# Altium PCB pcb_v1.PcbDoc (part 1 of 5) (continued)
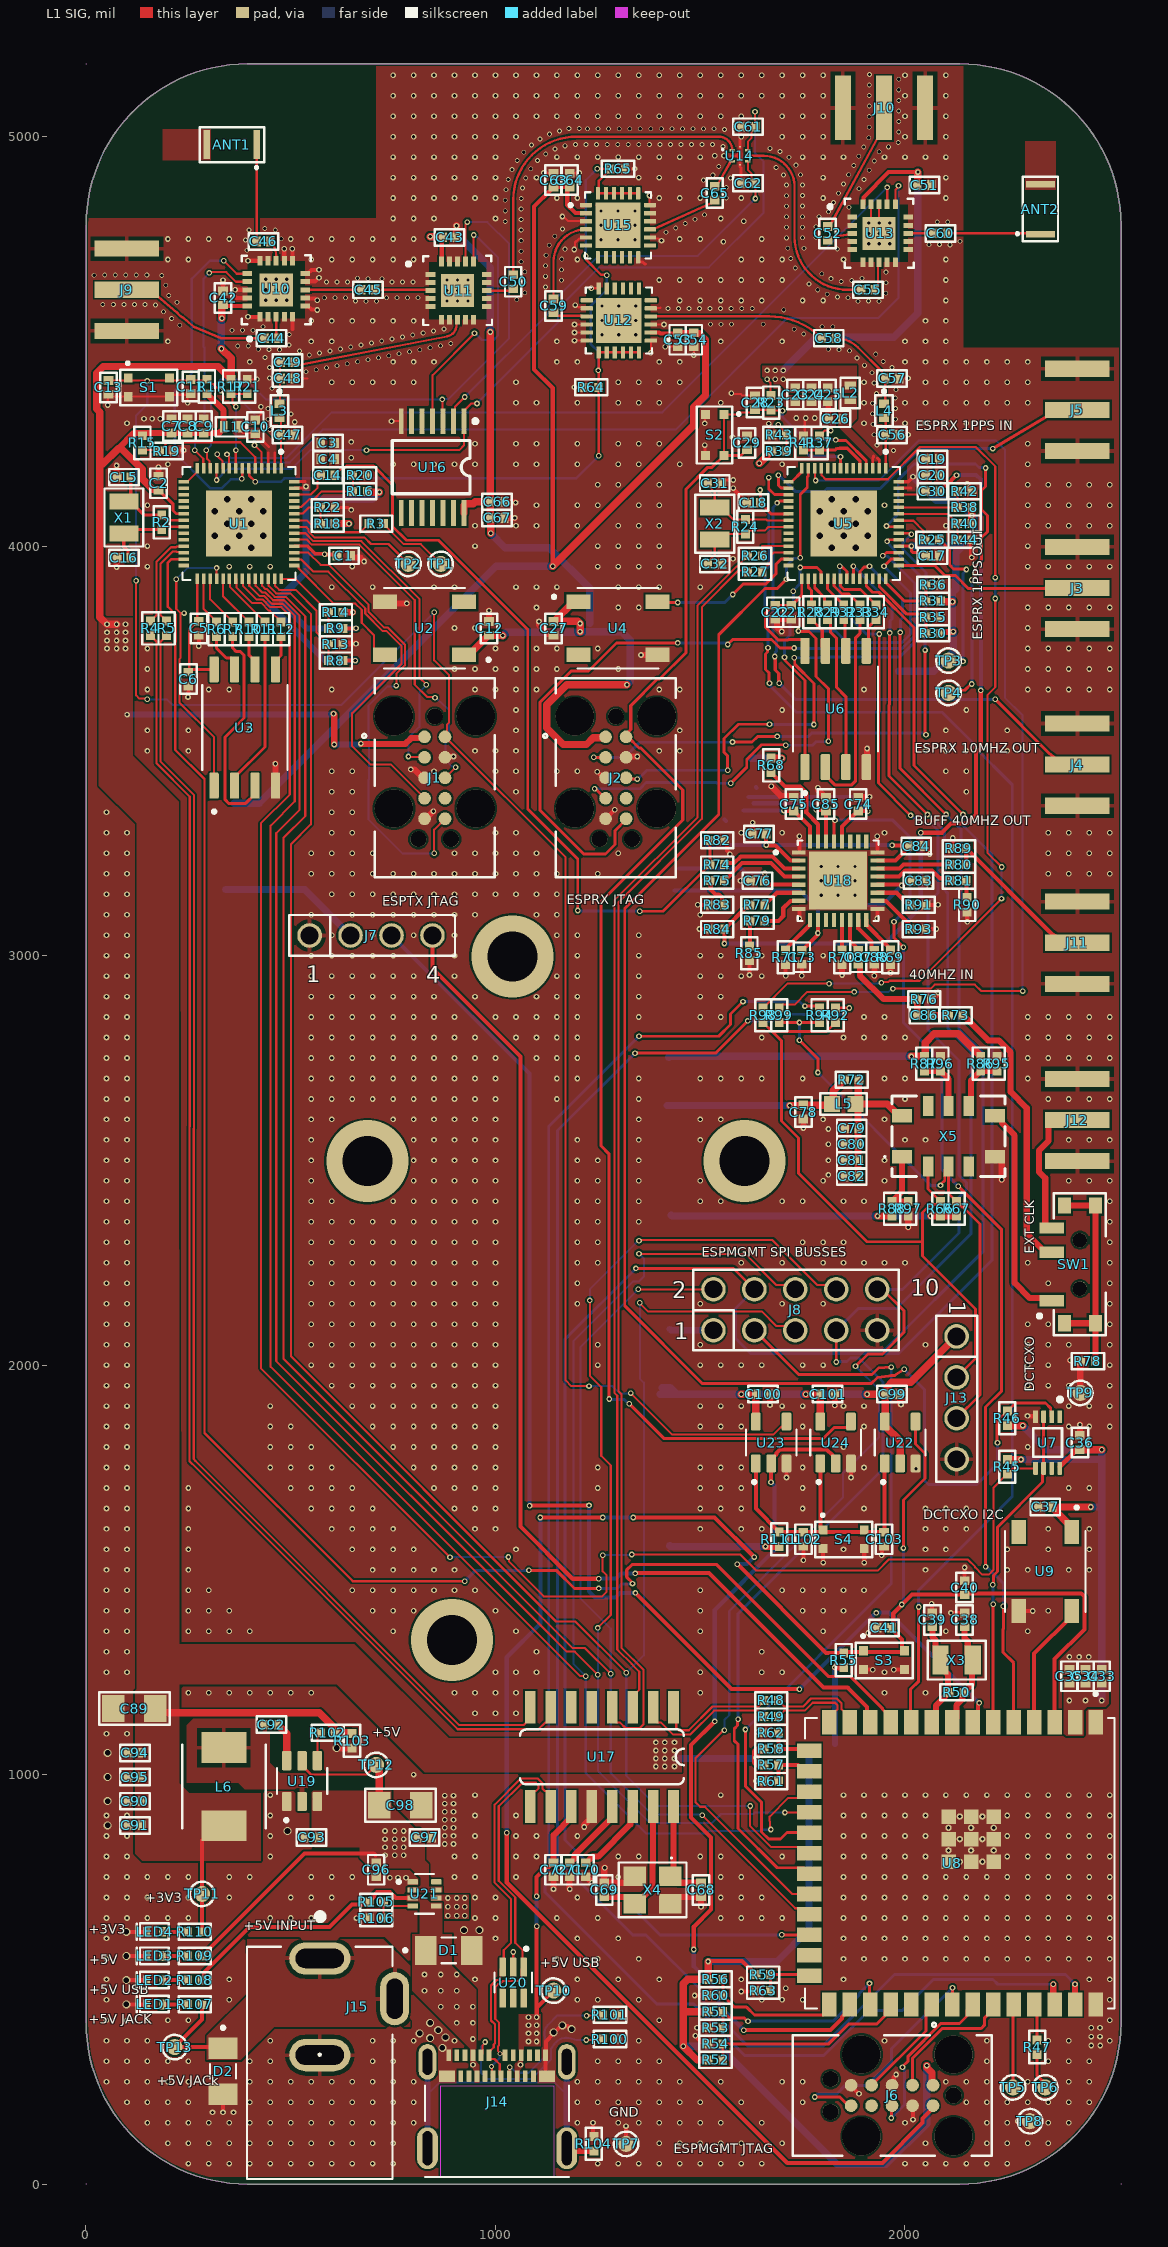
[diagram p0: L1 SIG view]
## Components (designator, comment, footprint, x,y, rotation, side; value= is the part's Value field where it differs from the comment) (continued)
C100 "0.1uF" CAP_0402 1653.54,1929.13 r180 top
C101 "0.1uF" CAP_0402 1811.02,1929.13 r180 top
C102 "1uF" CAP_0402 1751.97,1574.8 r90 top
C103 "0.1uF" CAP_0402 1948.82,1574.8 r90 top
D1 "BZT52C5V1_RHG" D_BZT52C5V1_RHG 885.83,570.87 r0 top
D2 "BZT52C5V1_RHG" D_BZT52C5V1_RHG 334.65,275.59 r270 top
J1 "CONN_TC2050-IDC" CONN_TAG-CONNECT_TC2050-IDC 851.77,3434.25 r270 top
J2 "CONN_TC2050-IDC" CONN_TAG-CONNECT_TC2050-IDC 1293.9,3434.25 r270 top
J3 "BWSMA-KE-P001" CONN_BWSMA-KE-P001 2421.26,3897.64 r0 top
J4 "BWSMA-KE-P001" CONN_BWSMA-KE-P001 2421.26,3466.54 r0 top
J5 "BWSMA-KE-P001" CONN_BWSMA-KE-P001 2421.26,4332.68 r0 top
J6 "CONN_TC2050-IDC" CONN_TAG-CONNECT_TC2050-IDC 1968.5,216.54 r180 top
J7 "PPTC041LFBN-RC" CONN_4_PIN_100MIL 696.06,3049.21 r0 top value=Female
J8 "PZ254V-12-10P" CONN_10_PIN_M_100MIL 1532.28,2085.04 r0 top
J9 "BWSMA-KE-P001" CONN_BWSMA-KE-P001 100,4625.98 r180 top
J10 "BWSMA-KE-P001" CONN_BWSMA-KE-P001 1948.82,5070 r90 top
J11 "BWSMA-KE-P001" CONN_BWSMA-KE-P001 2421.26,3031.5 r0 top
J12 "BWSMA-KE-P001" CONN_BWSMA-KE-P001 2421.26,2598.43 r0 top
J13 "PZ254V-11-04P" CONN_4_PIN_M_100MIL 2125.98,1920.08 r270 top
J14 "105450-0101" CONN_105450-0101 1003.94,166.34 r0 top
J15 "Power Jack" CONN_DC-005-20A 570.87,551.18 r270 top value="CONN PWR JACK 2X5.5MM SOLDER"
L1 "2nH 50mOhm" IND_INDC1006X60N 354.33,4291.34 r0 top
L2 "2nH 50mOhm" IND_INDC1006X60N 1866.14,4374.02 r270 top
L3 "1nH" INDUCTOR_0402 472.44,4330.71 r90 top
L4 "1nH" INDUCTOR_0402 1948.82,4330.71 r90 top
L5 "10uH 300mA" L_490-LQM18DN100M70LCT-ND 1850.39,2637.8 r0 top
L6 "3.3uH" L_IHLP2020CZER3R3M01 336.61,970.47 r270 top
LED1 "LED_SM0402GC" LED_FP-SM0402GC-MFG 167.32,438.98 r0 top
LED2 "LED_SM0402GC" LED_FP-SM0402GC-MFG 167.32,498.03 r0 top
LED3 "LED_SM0402GC" LED_FP-SM0402GC-MFG 167.32,557.09 r0 top
LED4 "LED_SM0402GC" LED_FP-SM0402GC-MFG 167.32,616.14 r0 top
R1 "10k" RES_0402 295.28,4389.76 r270 top
R2 "10M" RES_0402 185.04,4058.07 r90 top value=10MR
R3 "499" RES_0402 708.66,4055.12 r180 top value=499R
R4 "0 ohm" RES_0402 157.48,3799.21 r270 top value=0mR
R5 "0 ohm" RES_0402 196.85,3799.21 r270 top value=0mR
R6 "0 ohm" RES_0402 318.9,3797.24 r90 top value=0mR
R7 "0 ohm" RES_0402 358.27,3797.24 r90 top value=0mR
R8 "1k" RES_0402 610.24,3720.47 r0 top
R9 "1k" RES_0402 610.24,3799.21 r0 top
R10 "0 ohm" RES_0402 397.64,3797.24 r90 top value=0mR
R11 "0 ohm" RES_0402 437.01,3797.24 r90 top value=0mR
R12 "0 ohm" RES_0402 476.38,3797.24 r90 top value=0mR
R13 "1k" RES_0402 610.24,3759.84 r180 top
R14 "1k" RES_0402 610.24,3838.58 r180 top
R15 "1k" RES_0402 137.8,4251.97 r90 top
R16 "1k" RES_0402 669.29,4133.86 r0 top
R17 "1k" RES_0402 354.33,4389.76 r90 top
R18 "1k" RES_0402 590.55,4055.12 r0 top
R19 "1k" RES_0402 196.85,4232.28 r180 top
R20 "1k" RES_0402 669.29,4173.23 r180 top
R21 "1k" RES_0402 393.7,4389.76 r270 top
R22 "1k" RES_0402 590.55,4094.49 r180 top
R23 "10k" RES_0402 1673.23,4350.39 r90 top
R24 "10M" RES_0402 1610.24,4047.24 r90 top value=10MR
R25 "499" RES_0402 2066.93,4015.75 r180 top value=499R
R26 "0 ohm" RES_0402 1633.86,3976.38 r180 top value=0mR
R27 "0 ohm" RES_0402 1633.86,3937.01 r180 top value=0mR
R28 "0 ohm" RES_0402 1771.65,3838.58 r90 top value=0mR
R29 "0 ohm" RES_0402 1811.02,3838.58 r90 top value=0mR
R30 "1k" RES_0402 2068.9,3787.4 r0 top
R31 "1k" RES_0402 2068.9,3866.14 r0 top
R32 "0 ohm" RES_0402 1850.39,3838.58 r90 top value=0mR
R33 "0 ohm" RES_0402 1889.76,3838.58 r90 top value=0mR
R34 "0 ohm" RES_0402 1929.13,3838.58 r90 top value=0mR
R35 "1k" RES_0402 2068.9,3826.77 r180 top
R36 "1k" RES_0402 2068.9,3905.51 r180 top
R37 "1k" RES_0402 1791.34,4251.97 r90 top
R38 "1k" RES_0402 2145.67,4094.49 r0 top
R39 "1k" RES_0402 1692.91,4232.28 r180 top
R40 "1k" RES_0402 2145.67,4055.12 r0 top
R41 "1k" RES_0402 1751.97,4251.97 r270 top
R42 "1k" RES_0402 2145.67,4133.86 r180 top
R43 "1k" RES_0402 1692.91,4271.65 r0 top
R44 "1k" RES_0402 2145.67,4015.75 r180 top
R45 "10k" RES_0402 2250,1751.97 r90 top
R46 "10k" RES_0402 2250,1870.08 r270 top
R47 "499" RES_0402 2322.83,334.65 r90 top value=499R
R48 "0 ohm" RES_0402 1673.23,1181.1 r180 top value=0mR
R49 "0 ohm" RES_0402 1673.23,1141.73 r180 top value=0mR
R50 "10M" RES_0402 2125.98,1200.79 r0 top value=10MR
R51 "1k" RES_0402 1537.4,421.26 r180 top
R52 "1k" RES_0402 1537.4,303.15 r180 top
R53 "1k" RES_0402 1537.4,381.89 r0 top
R54 "1k" RES_0402 1537.4,342.52 r0 top
R55 "10k" RES_0402 1850.39,1279.53 r270 top
R56 "1k" RES_0402 1537.4,500 r180 top
R57 "1k" RES_0402 1673.23,1023.62 r180 top
R58 "1k" RES_0402 1673.23,1062.99 r180 top
R59 "1k" RES_0402 1653.54,511.81 r180 top
R60 "1k" RES_0402 1537.4,460.63 r0 top
R61 "1k" RES_0402 1673.23,984.25 r0 top
R62 "1k" RES_0402 1673.23,1102.36 r0 top
R63 "1k" RES_0402 1653.54,472.44 r0 top
R64 "10k" RES_0402 1234.25,4387.8 r0 top
R65 "10k" RES_0402 1299.21,4921.26 r180 top
R66 "4k7" RES_0402 2086.61,2381.89 r270 top value=4.7kR
R67 "4k7" RES_0402 2125.98,2381.89 r270 top value=4.7kR
R68 "10k" RES_0402 1673.23,3464.57 r90 top
R69 "10k" RES_0402 1964.57,2996.06 r90 top
R70 "10k" RES_0402 1846.46,2996.06 r90 top
R71 "10k" RES_0402 1708.66,2996.06 r90 top
R72 "10" RES_0402 1870.08,2696.85 r0 top value=10R
R73 "0 ohm" RES_0402 2124.02,2854.33 r180 top value=0mR
R74 "0 ohm" RES_0402 1541.34,3222.44 r180 top value=0mR
R75 "0 ohm" RES_0402 1541.34,3183.07 r180 top value=0mR
R76 "49.9" RES_0402 2047.24,2893.7 r180 top value=49.9R
R77 "0 ohm" RES_0402 1639.76,3124.02 r180 top value=0mR
R78 "0 ohm" RES_0402 2446.85,2009.84 r180 top value=0mR
R79 "0 ohm" RES_0402 1639.76,3084.65 r180 top value=0mR
R80 "0 ohm" RES_0402 2131.89,3222.44 r0 top value=0mR
R81 "0 ohm" RES_0402 2131.89,3183.07 r0 top value=0mR
R82 "49.9" RES_0402 1541.34,3281.5 r180 top value=49.9R
R83 "49.9" RES_0402 1541.34,3124.02 r0 top value=49.9R
R84 "49.9" RES_0402 1541.34,3064.96 r0 top value=49.9R
R85 "49.9" RES_0402 1620.08,3005.91 r90 top value=49.9R
R86 "100k" RES_0402 2185.04,2736.22 r90 top
R87 "100k" RES_0402 2047.24,2736.22 r90 top
R88 "100k" RES_0402 1968.5,2381.89 r270 top
R89 "49.9" RES_0402 2131.89,3261.81 r0 top value=49.9R
R90 "49.9" RES_0402 2151.57,3124.02 r90 top value=49.9R
R91 "49.9" RES_0402 2033.46,3124.02 r180 top value=49.9R
R92 "0 ohm" RES_0402 1830.71,2854.33 r270 top value=0mR
R93 "49.9" RES_0402 2033.46,3064.96 r180 top value=49.9R
R94 "0 ohm" RES_0402 1791.34,2854.33 r270 top value=0mR
R95 "100k" RES_0402 2224.41,2736.22 r270 top
R96 "100k" RES_0402 2086.61,2736.22 r270 top
R97 "100k" RES_0402 2007.87,2381.89 r90 top
R98 "0 ohm" RES_0402 1653.54,2854.33 r270 top value=0mR
R99 "0 ohm" RES_0402 1692.91,2854.33 r270 top value=0mR
R100 "5.1k" RES_0402 1279.53,354.33 r180 top
R101 "5.1k" RES_0402 1279.53,413.39 r180 top
R102 "33.2k" RES_0402 590.55,1102.36 r0 top value=33.2kR
R103 "10k" RES_0402 649.61,1082.68 r270 top
R104 "0 ohm" RES_0402 1240.16,98.43 r270 top value=0mR
R105 "10k" RES_0402 708.66,688.98 r0 top
R106 "10k" RES_0402 708.66,649.61 r180 top
R107 "10k" RES_0402 265.75,438.98 r180 top
R108 "10k" RES_0402 265.75,498.03 r180 top
R109 "10k" RES_0402 265.75,557.09 r180 top
R110 "10k" RES_0402 265.75,616.14 r180 top
R111 "10k" RES_0402 1692.91,1574.8 r270 top
S1 "SKSVCAE010" SW_SKSVCAE010 153.31,4387.8 r0 top
S2 "SKSVCAE010" SW_SKSVCAE010 1535.43,4271.65 r270 top
S3 "SKSVCAE010" SW_SKSVCAE010 1948.82,1279.53 r0 top
S4 "SKSVCAE010" SW_SKSVCAE010 1850.39,1574.8 r0 top
SW1 "PCM12SMTR" SW_PCM12SMTR 2427.17,2246.06 r90 top
TP1 "Test Point 1MM" TP_PAD-1MM 866.14,3956.69 r0 top
TP2 "Test Point 1MM" TP_PAD-1MM 787.4,3956.69 r90 top
TP3 "Test Point 1MM" TP_PAD-1MM 2106.3,3720.47 r180 top
TP4 "Test Point 1MM" TP_PAD-1MM 2106.3,3641.73 r180 top
TP5 "Test Point 1MM" TP_PAD-1MM 2263.78,236.22 r180 top
TP6 "Test Point 1MM" TP_PAD-1MM 2342.52,236.22 r180 top
TP7 "Test Point 1MM" TP_PAD-1MM 1318.9,98.43 r90 top
TP8 "Test Point 1MM" TP_PAD-1MM 2305.12,153.54 r90 top
TP9 "Test Point 1MM" TP_PAD-1MM 2428.15,1932.09 r90 top
TP10 "Test Point 1MM" TP_PAD-1MM 1141.73,472.44 r270 top
TP11 "Test Point 1MM" TP_PAD-1MM 283.46,708.66 r0 top
TP12 "Test Point 1MM" TP_PAD-1MM 708.66,1023.62 r270 top
TP13 "Test Point 1MM" TP_PAD-1MM 216.54,334.65 r90 top
U1 "ESP32-S3" IC_ESP32-S3 374.02,4055.12 r270 top
U2 "WS2812B-B" LED_WS2812B-B 826.77,3799.21 r180 top
U3 "W25Q128JVSIQ" IC_W25Q128JVSIQ 387.8,3557.09 r90 top
U4 "WS2812B-B" LED_WS2812B-B 1299.21,3799.21 r0 top
U5 "ESP32-S3" IC_ESP32-S3 1850.39,4055.12 r270 top
U6 "W25Q128JVSIQ" IC_W25Q128JVSIQ 1830.71,3602.36 r90 top
U7 "SN74LVC3G07DCUR" IC_SN74LVC3G07DCUR 2348.43,1811.02 r270 top
U8 "ESP32-S3-WROOM-1U" IC_ESP32-S3-WROOM-1U 2134.25,783.46 r270 top
U9 "WS2812B-B" LED_WS2812B-B 2342.52,1496.06 r270 top
U10 "PE42420F-Z" RF_PE42420F-Z 464.57,4625.99 r90 top
U11 "PE42420F-Z" RF_PE42420F-Z 907.49,4624.02 r0 top
U12 "HMC472ALP4ETR" IC_HMC472ALP4ETR 1301.18,4551.18 r180 top
U13 "PE42420F-Z" RF_PE42420F-Z 1937.01,4763.79 r0 top
U14 "SKY13323-378LF" RF_SW_SKYA21012 1597.24,4953.35 r0 top
U15 "HMC472ALP4ETR" IC_HMC472ALP4ETR 1299.21,4783.46 r0 top
U16 "74LV04PW,118" TSSOP14 846.46,4192.91 r180 top
U17 "SL2.1A" IC_SL2.1A 1259.84,1043.31 r180 top
U18 "LMK00334RTVR" IC_LMK00334RTVR 1836.61,3183.07 r0 top
U19 "AP62200TWU-7" IC_AP62200TWU-7 527.56,984.25 r90 top
U20 "TPD4E1U06DCKR" IC_TPD4E1U06DCKR 1043.31,492.13 r270 top value=1pF
U21 "TPS2116DRLR" IC_TPS2116 826.77,708.66 r0 top
U22 "SN74LVC1G08DBVR" IC_SN74LVC1G08DBVR 1988.19,1811.02 r90 top
U23 "SN74LVC1G08DBVR" IC_SN74LVC1G08DBVR 1673.23,1811.02 r90 top
U24 "SN74LVC1G08DBVR" IC_SN74LVC1G08DBVR 1830.71,1811.02 r90 top
X1 "32.768kHz" XTAL_X321532768KGD2SI 92.52,4069.88 r270 top
X2 "32.768kHz" XTAL_X321532768KGD2SI 1535.43,4055.12 r270 top
X3 "32.768kHz" XTAL_X321532768KGD2SI 2125.98,1279.53 r180 top
X4 "12MHz" XTAL_TAXM12M4RLBDDT2T 1383.86,718.5 r180 top
X5 "SiT5501AI-WU033JH-40.000000" XTAL_SIT5501_70X50 2106.3,2559.06 r90 top

## Footprints (in the part's own frame and the unit in brackets; to place one, negate y for a bottom-side part, rotate by r counter-clockwise, add the part's x,y. Pads: shape width x height; smd on the part's side, far side on the other; paste and mask are expansions set on the pad)
ANT_ANT3216LL00R2400A [mm]
  rect 0.4x1.8 smd: 1(-1.55,0) 2(1.55,0)
  silkscreen extent -2,-1.09 2,1.46, body extent -1.55,-0.89 1.55,0.89, height 1.2
CAP_0402 [mm]
  rect 0.54x0.6 smd: 1(-0.43,0) 2(0.43,0)
  silkscreen extent -0.91,-0.51 0.91,0.51, body extent -0.47,-0.27 0.52,0.23, height 0.51
CAP_0805 [mm]
  rect 1.4x1.65 smd: 1(-1.3,0) 2(1.3,0)
  silkscreen extent -2.18,-1.02 2.18,1.02, body extent -1.03,-0.74 0.97,0.71, height 1.26
CONN_4_PIN_100MIL [mil]
  round 60 hole 43.31: 1(-150,0) 2(-50,0) 3(50,0) 4(150,0)
  silkscreen extent -200,-50 205,50, body extent -210,-50 210,48, height 197
CONN_4_PIN_M_100MIL [mil]
  round 60 hole 43.31: 1(-150,0) 2(-50,0) 3(50,0) 4(150,0)
  silkscreen extent -200,-50 205,50, body extent -197,-49 197,49, height 449
CONN_10_PIN_M_100MIL [mil]
  round 60 hole 43.31: 1(0,0) 2(0,100) 3(100,0) 4(100,100) 5(200,0) 6(200,100) 7(300,0) 8(300,100) 9(400,0) 10(400,100)
  silkscreen extent -49,-49 453,148, body extent -50,-50 450,150, height 336
CONN_105450-0101 [mm]
  rect 0.3x0.7 smd: A1(-3,3.77) A2(-2.5,3.77) A3(-2,3.77) A4(-1.5,3.77) A5(-1,3.77) A6(-0.5,3.77) A7(0.5,3.77) A8(1,3.77) A9(1.5,3.77) A10(2,3.77) A11(2.5,3.77) A12(3,3.77) B2(2.25,2.47) B3(1.75,2.47) B4(1.25,2.47) B5(0.75,2.47) B6(0.25,2.47) B7(-0.25,2.47) B8(-0.75,2.47) B9(-1.25,2.47) B10(-1.75,2.47) B11(-2.25,2.47)
  rect 1x0.7 smd: B1(3.1,2.47) B12(-3.1,2.47)
  oval 1.1x2.2 hole 0.6 slot 1.6 at 90 deg: S1(-4.32,3.36) S2(4.32,3.36)
  oval 1.3x2.6 hole 0.6 slot 2.1 at 90 deg: S3(-4.32,-2) S4(4.32,-2)
  Keep-Out Layer region: 3.5,-3.771 -3.501,-3.771 -3.501,1.88 3.5,1.88
  silkscreen extent -4.47,-3.77 4.47,1.9, body extent -4.47,-3.91 4.47,4, height 3.2
CONN_BWSMA-KE-P001 [mm]
  rect 4x1 smd: 1(0,0) 2(0,2.55) 3(0,-2.55)
  rect 4x1 smd far side: 4(0,2.55) 5(0,-2.55)
  body extent -2,-3 11.6,3, height 3.46
CONN_DC-005-20A [mm]
  oval 2x3.8 hole 1.2 slot 3 at 90 deg: 1(0,0) 2(6,0)
  oval 3.3x1.8 hole 1 slot 2.5 at 0 deg: 3(2.5,4.65)
  silkscreen extent -2.79,-4.5 13.68,4.5, body extent -0.76,-4.45 13.64,4.95, height 11.49
CONN_TAG-CONNECT_TC2050-IDC [mil]
  round 31 smd paste-39.37: 1(-100,-25) 2(-50,-25) 3(0,-25) 4(50,-25) 5(100,-25) 6(100,25) 7(50,25) 8(0,25) 9(-50,25) 10(-100,25)
  round 93.5 hole 93.5 unplated: ""(-150,100) ""(-150,-100) ""(75,100) ""(75,-100)
  round 39 hole 39 unplated: ""(-150,0) ""(150,-39.96) ""(150,39.96)
  silkscreen extent -243,-177 243,147
D_BZT52C5V1_RHG [mm]
  rect 1.34x1.8 smd: A(1.43,0) C(-1.43,0)
  silkscreen extent -2.8,-0.8 0.44,0.8, body extent -1.8,-0.8 1.8,0.8, height 1.15
IC_AP62200TWU-7 [mm]
  rrect25% 1.19x0.59 smd: 1(-1.265,0.95) 2(-1.265,0) 3(-1.265,-0.95) 4(1.265,-0.95) 5(1.265,0) 6(1.265,0.95)
  silkscreen extent -2.52,-1.57 0.8,1.57, body extent -1.4,-1.45 1.4,1.45, height 1.45
IC_ESP32-S3 [mm]
  rect 0.65x0.22 smd mask+0.05: 1(-3.425,2.6) 2(-3.425,2.2) 3(-3.425,1.8) 4(-3.425,1.4) 5(-3.425,1) 6(-3.425,0.6) 7(-3.425,0.2) 8(-3.425,-0.2) 9(-3.425,-0.6) 10(-3.425,-1) 11(-3.425,-1.4) 12(-3.425,-1.8) 13(-3.425,-2.2) 14(-3.425,-2.6) 29(3.425,-2.6) 30(3.425,-2.2) 31(3.425,-1.8) 32(3.425,-1.4) 33(3.425,-1) 34(3.425,-0.6) 35(3.425,-0.2) 36(3.425,0.2) 37(3.425,0.6) 38(3.425,1) 39(3.425,1.4) 40(3.425,1.8) 41(3.425,2.2) 42(3.425,2.6)
  rect 0.22x0.65 smd mask+0.05: 15(-2.6,-3.425) 16(-2.2,-3.425) 17(-1.8,-3.425) 18(-1.4,-3.425) 19(-1,-3.425) 20(-0.6,-3.425) 21(-0.2,-3.425) 22(0.2,-3.425) 23(0.6,-3.425) 24(1,-3.425) 25(1.4,-3.425) 26(1.8,-3.425) 27(2.2,-3.425) 28(2.6,-3.425) 43(2.6,3.425) 44(2.2,3.425) 45(1.8,3.425) 46(1.4,3.425) 47(1,3.425) 48(0.6,3.425) 49(0.2,3.425) 50(-0.2,3.425) 51(-0.6,3.425) 52(-1,3.425) 53(-1.4,3.425) 54(-1.8,3.425) 55(-2.2,3.425) 56(-2.6,3.425)
  round 0.5 hole 0.4 mask+0: 57(-1.5,0.75) 57(-1.5,-0.75) 57(-0.75,1.5) 57(-0.75,0) 57(-0.75,-1.5) 57(0,0.75) 57(0,-0.75) 57(0.75,1.5) 57(0.75,0) 57(0.75,-1.5) 57(1.5,0.75) 57(1.5,-0.75)
  rect 4.1x4.1 smd paste-1.55: 57(0,0)
  silkscreen extent -4.55,-3.5 3.5,3.5, body extent -3.5,-3.5 3.5,3.5, height 0.9
IC_ESP32-S3-WROOM-1U [mm]
  rect 1.5x0.9 smd: 1(-8.75,8.41) 2(-8.75,7.14) 3(-8.75,5.87) 4(-8.75,4.6) 5(-8.75,3.33) 6(-8.75,2.06) 7(-8.75,0.79) 8(-8.75,-0.48) 9(-8.75,-1.75) 10(-8.75,-3.02) 11(-8.75,-4.29) 12(-8.75,-5.56) 13(-8.75,-6.83) 14(-8.75,-8.1) 27(8.75,-8.1) 28(8.75,-6.83) 29(8.75,-5.56) 30(8.75,-4.29) 31(8.75,-3.02) 32(8.75,-1.75) 33(8.75,-0.48) 34(8.75,0.79) 35(8.75,2.06) 36(8.75,3.33) 37(8.75,4.6) 38(8.75,5.87) 39(8.75,7.14) 40(8.75,8.41)
  rect 0.9x1.5 smd: 15(-6.985,-9.35) 16(-5.715,-9.35) 17(-4.445,-9.35) 18(-3.175,-9.35) 19(-1.905,-9.35) 20(-0.635,-9.35) 21(0.635,-9.35) 22(1.905,-9.35) 23(3.175,-9.35) 24(4.445,-9.35) 25(5.715,-9.35) 26(6.985,-9.35)
  round 0.4 hole 0.2 mask+0: 41_1(-2.9,1.39) 41_1(-2.9,-0.01) 41_1(-2.2,2.09) 41_1(-2.2,-0.71) 41_1(-2.2,0.69) 41_1(-1.5,1.39) 41_1(-1.5,-0.01) 41_1(-0.8,2.09) 41_1(-0.8,0.69) 41_1(-0.8,-0.71) 41_1(-0.1,1.39) 41_1(-0.1,-0.01)
  rect 0.9x0.9 smd: 41_1(-2.9,2.09) 41_2(-1.5,2.09) 41_3(-0.1,2.09) 41_4(-2.9,0.69) 41_5(-1.5,0.69) 41_6(-0.1,0.69) 41_7(-2.9,-0.71) 41_8(-1.5,-0.71) 41_9(-0.1,-0.71)
  silkscreen extent -10.6,-9.6 9,9.6, body extent -9,-9.6 9,9.6, height 3.35
IC_HMC472ALP4ETR [mm]
  rrect25% 0.76x0.26 smd: 1(-1.985,1.25) 2(-1.985,0.75) 3(-1.985,0.25) 4(-1.985,-0.25) 5(-1.985,-0.75) 6(-1.985,-1.25) 13(1.985,-1.25) 14(1.985,-0.75) 15(1.985,-0.25) 16(1.985,0.25) 17(1.985,0.75) 18(1.985,1.25)
  rrect25% 0.26x0.76 smd: 7(-1.25,-1.985) 8(-0.75,-1.985) 9(-0.25,-1.985) 10(0.25,-1.985) 11(0.75,-1.985) 12(1.25,-1.985) 19(1.25,1.985) 20(0.75,1.985) 21(0.25,1.985) 22(-0.25,1.985) 23(-0.75,1.985) 24(-1.25,1.985)
  rect 2.8x2.8 smd paste-0.51: 25(0,0)
  silkscreen extent -3.05,-2.05 2.05,2.05, body extent -2,-2 2,2, height 1
IC_LMK00334RTVR [mm]
  rect 0.86x0.26 smd: 1(-2.435,1.75) 2(-2.435,1.25) 3(-2.435,0.75) 4(-2.435,0.25) 5(-2.435,-0.25) 6(-2.435,-0.75) 7(-2.435,-1.25) 8(-2.435,-1.75) 17(2.435,-1.75) 18(2.435,-1.25) 19(2.435,-0.75) 20(2.435,-0.25) 21(2.435,0.25) 22(2.435,0.75) 23(2.435,1.25) 24(2.435,1.75)
  rect 0.26x0.86 smd: 9(-1.75,-2.435) 10(-1.25,-2.435) 11(-0.75,-2.435) 12(-0.25,-2.435) 13(0.25,-2.435) 14(0.75,-2.435) 15(1.25,-2.435) 16(1.75,-2.435) 25(1.75,2.435) 26(1.25,2.435) 27(0.75,2.435) 28(0.25,2.435) 29(-0.25,2.435) 30(-0.75,2.435) 31(-1.25,2.435) 32(-1.75,2.435)
  rect 3.6x3.6 smd paste-3: 33(0,0)
  silkscreen extent -3.96,-2.5 2.5,2.5, body extent -2.5,-2.5 2.5,2.5, height 0.8
IC_SL2.1A [mil]
  rect 26x80 smd: 1(-175,-121) 2(-125,-121) 3(-75,-121) 4(-25,-121) 5(25,-121) 6(75,-121) 7(125,-121) 8(175,-121) 9(175,121) 10(125,121) 11(75,121) 12(25,121) 13(-25,121) 14(-75,121) 15(-125,121) 16(-175,121)
  silkscreen extent -200,-67 200,67, body extent -197,-115 196,117, height 57
IC_SN74LVC1G08DBVR [mm]
  rrect25% 1.1x0.6 smd: 1(-1.3,0.95) 2(-1.3,0) 3(-1.3,-0.95) 4(1.3,-0.95) 5(1.3,0.95)
  silkscreen extent -2.55,-1.58 0.8,1.58, body extent -1.4,-1.45 1.4,1.45, height 1.46
IC_SN74LVC3G07DCUR [mm]
  rrect33% 0.8x0.3 smd: 1(-1.6,0.75) 2(-1.6,0.25) 3(-1.6,-0.25) 4(-1.6,-0.75) 5(1.6,-0.75) 6(1.6,-0.25) 7(1.6,0.25) 8(1.6,0.75)
  silkscreen extent -2.79,-0.89 0.89,0.89, body extent -1.56,-1 1.56,1, height 0.9
IC_TPD4E1U06DCKR [mm]
  rrect25% 1.19x0.4 smd: 1(-0.96,0.65) 2(-0.96,0) 3(-0.96,-0.65) 4(0.96,-0.65) 5(0.96,0) 6(0.96,0.65)
  silkscreen extent -2.2,-1.17 0.63,1.17, body extent -1.05,-1 1.05,1, height 1.1
IC_TPS2116 [mm]
  rrect25% 0.66x0.32 smd: 1(-0.735,0.75) 2(-0.735,0.25) 3(-0.735,-0.25) 4(-0.735,-0.75) 5(0.735,-0.75) 6(0.735,-0.25) 7(0.735,0.25) 8(0.735,0.75)
  silkscreen extent -1.7,-1.23 0.6,1.23, body extent -0.8,-1.05 0.8,1.05, height 0.6
IC_W25Q128JVSIQ [mm]
  rrect25% 1.61x0.58 smd: 1(-3.605,1.905) 2(-3.605,0.635) 3(-3.605,-0.635) 4(-3.605,-1.905) 5(3.605,-1.905) 6(3.605,-0.635) 7(3.605,0.635) 8(3.605,1.905)
  silkscreen extent -5.31,-2.64 2.64,2.64, body extent -4.09,-2.64 3.94,2.64, height 2.17
IND_INDC1006X60N [mm]
  rect 0.49x0.7 smd: 1(-0.453,0) 2(0.453,0)
  silkscreen extent -0.95,-0.6 0.95,0.6, body extent -0.5,-0.3 0.5,0.3, height 0.6
INDUCTOR_0402 [mm]
  rect 0.54x0.6 smd: 1(-0.432,0) 2(0.432,0)
  silkscreen extent -0.95,-0.55 1.3,0.55, body extent -0.5,-0.25 0.5,0.25, height 0.55
L_490-LQM18DN100M70LCT-ND [mm]
  rect 1x0.97 smd: 1(-0.735,0) 2(0.735,0)
  silkscreen extent -1.45,-0.67 1.43,0.68, body extent -0.8,-0.4 0.8,0.4, height 0.95
L_IHLP2020CZER3R3M01 [mm]
  rect 1.905x2.79 smd: 1(-2.425,0) 2(2.426,0)
  silkscreen extent -2.59,-2.59 2.59,2.59, body extent -2.6,-2.6 2.6,2.6, height 3
LED_FP-SM0402GC-MFG [mil]
  rect 16x24 smd paste+0 mask+0: 1(19.5,0) 2(-19.5,0)
  silkscreen extent -43,-20 34,21, body extent -20,-10 20,10, height 28
LED_WS2812B-B [mm]
  rect 1.5x0.9 smd: 1(-2.45,1.65) 2(-2.45,-1.65) 3(2.45,-1.65) 4(2.45,1.65)
  silkscreen extent -4.07,-2.5 2.5,2.5, body extent -2.7,-2.5 2.7,2.5, height 1.63
RES_0402 [mm] "Chip Resistor, 2-Leads, Body 1.00x0.50mm, IPC Medium Density"
  rect 0.55x0.55 smd: 1(-0.45,0) 2(0.45,0)
  silkscreen extent -1,-0.5 1,0.5, body extent -0.53,-0.27 0.53,0.28, height 0.4
RF_PE42420F-Z [mm]
  rect 0.6x0.31 smd paste+0 mask+0: 1(-1.676,1) 2(-1.676,0.5) 3(-1.676,0) 4(-1.676,-0.5) 5(-1.676,-1) 11(1.8,-1) 12(1.8,-0.5) 13(1.8,0) 14(1.8,0.5) 15(1.8,1)
  rect 0.31x0.6 smd paste+0 mask+0: 6(-1,-1.8) 7(-0.5,-1.8) 8(0,-1.8) 9(0.5,-1.8) 10(1,-1.8) 16(1,1.8) 17(0.5,1.8) 18(0,1.8) 19(-0.5,1.8) 20(-1,1.8)
  rect 2.05x2.05 smd paste+0 mask+0: 21(0,0)
  silkscreen extent -3.15,-2.13 2.13,2.15, body extent -2.01,-2.01 2.01,2.01, height 0.99
RF_SW_SKYA21012 [mm]
  rect 0.33x0.15 smd: 1(-0.485,0.35) 3(-0.485,-0.35) 4(0.485,-0.35) 5(0.485,0) 6(0.485,0.35)
  rect 0.1x0.1 smd paste-1 mask+0: 2(-0.51,0) 2(0,-0.555) 2(0,0.555)
  L1 SIG region: -0.25,-0.075 -0.65,-0.075 -0.65,0.075 -0.25,0.075
  L1 SIG region: 0.13,0.165 0.13,-0.165 0.075,-0.365 -0.075,-0.365 -0.075,-0.25 -0.25,-0.075 -0.25,0.075 -0.162,0.162 -0.075,0.25 0.075,0.365
  L1 SIG region: 0.075,-0.65 -0.075,-0.65 -0.075,-0.365 0.075,-0.365
  L1 SIG region: 0.075,0.365 -0.075,0.25 -0.075,0.65 0.075,0.65
  silkscreen extent -1.13,0.34 -1.02,0.44, body extent -0.5,-0.5 0.5,0.5, height 0.51
SW_PCM12SMTR [mm]
  rect 0.7x1.5 smd: 1(-2.25,1.75) 2(0.75,1.75) 3(2.25,1.75)
  rect 1x0.8 smd: S4(-3.65,-0.965) S4(-3.65,0.965) S4(3.65,-0.965) S4(3.65,0.965)
  round 0.9 hole 0.9 unplated: ""(-1.5,0) ""(1.5,0)
  silkscreen extent -4.4,-1.62 4.4,2.6, body extent -3.68,-2.34 3.67,2.23, height 1.4
SW_SKSVCAE010 [mm]
  rect 0.55x0.57 smd: 1(-1.275,0.58) 2(-1.275,-0.58) 3(1.275,0.58) 4(1.275,-0.58)
  silkscreen extent -1.76,-1.12 1.77,1.55, body extent -1.52,-0.99 1.51,0.98, height 0.5
TP_PAD-1MM [mm]
  round 1 smd mask+0: 1(0,0)
  silkscreen extent -0.76,-0.76 0.76,0.76
TSSOP14 [mm] "Shrink Small Outline; 14 Leads; Body Width 4.4 mm; Pitch 0.65 mm"
  rect 0.3x1.6 smd: 1(-1.95,-2.85) 2(-1.3,-2.85) 3(-0.65,-2.85) 4(0,-2.85) 5(0.65,-2.85) 6(1.3,-2.85) 7(1.95,-2.85) 8(1.95,2.85) 9(1.3,2.85) 10(0.65,2.85) 11(0,2.85) 12(-0.65,2.85) 13(-1.3,2.85) 14(-1.95,2.85)
  silkscreen extent -2.78,-2.97 2.5,1.65, body extent -2.5,-3.2 2.5,3.2, height 1.1
XTAL_SIT5501_70X50 [mm]
  rect 0.85x1.25 smd: 1(-1.27,2.875) 5(-1.27,-2.875) 6(1.27,-2.875) 10(1.27,2.875)
  rect 1.25x0.65 smd: 2(-1.875,1.27) 3(-1.875,0) 4(-1.875,-1.27) 7(1.875,-1.27) 8(1.875,0) 9(1.875,1.27)
  silkscreen extent -2.5,-3.5 2.5,4, body extent -2.5,-3.5 2.5,3.5, height 2.06
XTAL_TAXM12M4RLBDDT2T [mm]
  rect 1.4x1.2 smd: 1(-1.1,-0.85) 2(1.1,-0.85) 3(1.1,0.85) 4(-1.1,0.85)
  silkscreen extent -2.1,-2.03 2.1,1.7, body extent -1.65,-1.15 1.65,1.25, height 0.8
XTAL_X321532768KGD2SI [mm]
  rect 1x1.8 smd: 1(-1,0) 2(1,0)
  silkscreen extent -1.8,-1.2 1.8,1.2, body extent -1.6,-0.75 1.6,0.75, height 0.75

## Part data
ANT1 ANT2: library part ANT_ANT3216LL00R2400A, "Chip Antenna Linear Single Band 50Ohm 2.4GHz 5.05dBi 2-Pin SMD T/R", Manufacturer=Yageo, Max Power Dissipation=1W, Supplier Part Number 1=311-4590-2-ND, Category="RF Antennas", ComponentLink1Description=http://www.yageo.com/NewPortal/_en/search/productDocs.jsp?YageoPartNumber=ANT3216LL00R2400A&src-supplier=Digi-Key, ComponentLink1URL=http://www.yageo.com/NewPortal/_en/search/productDocs.jsp?YageoPartNumber=ANT3216LL00R2400A&src-supplier=Digi-Key, Manufacturer Part Number=ANT3216LL00R2400A, Mount="Surface Mount", Number of Bands=1, Packaging="Cut Tape", RoHS=Yes, Supplier 1=Digi-Key, Termination=Solder
C1 C2 C5 C9 C10 C13 C17 C18 C21 C25 C26 C29 C33 C36 C41 C42 C43 C51 C53 C63 C66 C73 C74 C75 C76 C77 C80 C83 C84 C85 C86 C87 C88 C90 C92 C96 C99 C100 C101 C103: library part CAP_GCM155R71C104KA55J, "Cap Ceramic 0.1uF 16V X7R 10% SMD 0402 125C Paper T/R", Capacitance=100nF, Case Code (Imperial)=0402, Case Code (Metric)=1005, Dielectric=X7R, Manufacturer=Murata, Manufacturer Part Number=GCM155R71C104KA55J, Max Operating Temperature=125°C, Min Operating Temperature=-55°C, Package Quantity=1, Ratings=AEC-Q200, Supplier Part Number 1=490-7998-1-ND, Tolerance=10%, Voltage Rating=16V, Case/Package=0402, Category="Ceramic Capacitors", ComponentLink1Description=https://datasheet.ciiva.com/11618/product-11618848.pdf?src-supplier=Avnet, ComponentLink1URL=https://datasheet.ciiva.com/11618/product-11618848.pdf?src-supplier=Avnet, ComponentLink2Description=https://datasheet.ciiva.com/16440/gcm155r71c104ka55j-16440393.pdf?src-supplier=Future+Electronics, ComponentLink2URL=https://datasheet.ciiva.com/16440/gcm155r71c104ka55j-16440393.pdf?src-supplier=Future+Electronics, ComponentLink3Description=https://datasheet.ciiva.com/29542/product-29542474.pdf?src-supplier=Digi-Key, ComponentLink3URL=https://datasheet.ciiva.com/29542/product-29542474.pdf?src-supplier=Digi-Key, ComponentLink4Description=https://datasheet.ciiva.com/29542/product-29542475.pdf?src-supplier=Digi-Key, ComponentLink4URL=https://datasheet.ciiva.com/29542/product-29542475.pdf?src-supplier=Digi-Key, Construction=Flat, Depth=0.5mm, Height=0.5mm, Lead Free="Lead Free", Length=1mm, Mount="Surface Mount", Packaging="Tape and Reel", Pricing 1="1=0.10000, 10=0.03500, 50=0.01920, 100=0.01560, 500=0.01116, 1000=0.00877, 2500=0.00798, 5000=0.00734 (USD)", Radiation Hardening=No, RoHS=Yes, Series=GCM, Stock 1=10738061, Supplier 1=Digi-Key, Termination=SMD/SMT, Thickness=0.022inch, Voltage Rating (DC)=16V, Width=0.5mm
C3 C6 C8 C11 C12 C19 C22 C24 C27 C28 C34 C37 C40 C102: library part CAP_CL05A105KA5NQNC, "Cap Ceramic 1uF 25V X5R 10% SMD 0402 85°C Cardboard T/R", Case Code (Imperial)=0402, Case Code (Metric)=1005, Dielectric=X5R, Manufacturer=Samsung, Manufacturer Part Number=CL05A105KA5NQNC, Max Operating Temperature=85°C, Min Operating Temperature=-55°C, Package Quantity=10000, Supplier Part Number 1=1276-1445-6-ND, Tolerance=10%, Voltage Rating=25V, Capacitance=1uF, Case/Package=0402, Category="Ceramic Capacitors", ComponentLink1Description=https://datasheet.ciiva.com/3777/cl05a105ka5nqnc-3777709.pdf?src-supplier=Arrow+Electronics, ComponentLink1URL=https://datasheet.ciiva.com/3777/cl05a105ka5nqnc-3777709.pdf?src-supplier=Arrow+Electronics, ComponentLink2Description=https://datasheet.ciiva.com/25720/cl05a105ka5nqnc-25720771.pdf?src-supplier=Digi-Key, ComponentLink2URL=https://datasheet.ciiva.com/25720/cl05a105ka5nqnc-25720771.pdf?src-supplier=Digi-Key, ComponentLink3Description=https://datasheet.ciiva.com/29198/459147-da-01-en-vs-kondensator-0402-29198339.pdf?src-supplier=Conrad, ComponentLink3URL=https://datasheet.ciiva.com/29198/459147-da-01-en-vs-kondensator-0402-29198339.pdf?src-supplier=Conrad, Construction=Flat, Depth=0.5mm, Height=0.5mm, Lead Free="Lead Free", Length=1mm, Material=Ceramic, Mount="Surface Mount", Packaging="Tape and Reel", Pricing 1="1=0.21000, 10=0.14900, 50=0.08460, 100=0.07000, 500=0.04910, 1000=0.04065, 2500=0.03784, 5000=0.03462 (USD)", Radiation Hardening=No, RoHS=Yes, RoHS Compliant=Yes, Series=CL, Supplier 1=Digi-Key, Thickness=0.022inch, Width=0.02inch
C4 C20: library part CAP_CC0402KRX7R9BB103, "Cap Ceramic 0.01uF 50V X7R 10% Pad SMD 0402 125°C T/R", Capacitance=10nF, Case Code (Imperial)=0402, Case Code (Metric)=1005, Dielectric=X7R, Manufacturer=Yageo, Manufacturer Part Number=CC0402KRX7R9BB103, Max Operating Temperature=125°C, Min Operating Temperature=-55°C, Package Quantity=1, Resistor Type=Ceramic, Supplier Part Number 1=311-1349-1-ND, Tolerance=10%, Voltage=50V, Case/Package=0402, Category="Ceramic Capacitors", ComponentLink1Description=https://datasheet.ciiva.com/11788/0900766b8079c870-11788375.pdf?src-supplier=RSComponents, ComponentLink1URL=https://datasheet.ciiva.com/11788/0900766b8079c870-11788375.pdf?src-supplier=RSComponents, ComponentLink2Description=https://datasheet.ciiva.com/26862/getdatasheetpartid-138248-26862642.pdf?src-supplier=Verical, ComponentLink2URL=https://datasheet.ciiva.com/26862/getdatasheetpartid-138248-26862642.pdf?src-supplier=Verical, ComponentLink3Description=https://datasheet.ciiva.com/7978/1489800-7978093.pdf?src-supplier=Element14, ComponentLink3URL=https://datasheet.ciiva.com/7978/1489800-7978093.pdf?src-supplier=Element14, ComponentLink4Description=https://datasheet.ciiva.com/28450/1489800-28450377.pdf?src-supplier=Element14, ComponentLink4URL=https://datasheet.ciiva.com/28450/1489800-28450377.pdf?src-supplier=Element14, ComponentLink5Description=https://datasheet.ciiva.com/176/mlccorderingcode-176349.pdf?src-supplier=Digi-Key, ComponentLink5URL=https://datasheet.ciiva.com/176/mlccorderingcode-176349.pdf?src-supplier=Digi-Key, ComponentLink6Description=https://datasheet.ciiva.com/176/mlccorderingcode-176348.pdf?src-supplier=Digi-Key, ComponentLink6URL=https://datasheet.ciiva.com/176/mlccorderingcode-176348.pdf?src-supplier=Digi-Key, ComponentLink7Description=https://datasheet.ciiva.com/176/mlccorderingcode-176350.pdf?src-supplier=Digi-Key, ComponentLink7URL=https://datasheet.ciiva.com/176/mlccorderingcode-176350.pdf?src-supplier=Digi-Key, ComponentLink8Description=https://datasheet.ciiva.com/16625/upy-gphc-x7r-6-3v-to-50v-8-16625513.pdf?src-supplier=Avnet+Europe, ComponentLink8URL=https://datasheet.ciiva.com/16625/upy-gphc-x7r-6-3v-to-50v-8-16625513.pdf?src-supplier=Avnet+Europe, Depth=0.5mm, Halogen Free="Halogen Free", Height=0.5mm, Lead Free="Lead Free", Length=1mm, Mount="Surface Mount", Packaging="Tape and Reel", Pricing 1="1=0.10000, 10=0.01800, 50=0.01000, 100=0.00820, 500=0.00588, 1000=0.00462, 2500=0.00420, 5000=0.00386 (USD)", Radiation Hardening=No, REACH SVHC="No SVHC", RoHS=Yes, RoHS Compliant=Yes, Series=CC, Stock 1=2049089, Supplier 1=Digi-Key, Termination=SMD/SMT, Thickness=0.022inch, Voltage Rating=50V, Voltage Rating (DC)=50V, Width=0.5mm
C7 C23 C35 C54 C64 C67 C70 C71 C72 C78 C79 C81 C91 C93 C97: library part CAP_CL05A106MQ5NUNC, "Cap Ceramic 10uF 6.3V X5R 20% SMD 0402 85°C Paper T/R", Case Code (Imperial)=0402, Case Code (Metric)=1005, Dielectric=X5R, Manufacturer=Samsung, Manufacturer Part Number=CL05A106MQ5NUNC, Max Operating Temperature=85°C, Min Operating Temperature=-55°C, Package Quantity=1, Supplier Part Number 1=1276-1451-1-ND, Tolerance=20%, Voltage Rating=6.3V, Capacitance=10uF, Case/Package=0402, Category="Ceramic Capacitors", ComponentLink1Description=https://datasheet.ciiva.com/16437/cl05a106mq5nunc-16437356.pdf?src-supplier=Future+Electronics, ComponentLink1URL=https://datasheet.ciiva.com/16437/cl05a106mq5nunc-16437356.pdf?src-supplier=Future+Electronics, ComponentLink2Description=https://datasheet.ciiva.com/26877/getdatasheetpartid-355289-26877841.pdf?src-supplier=Verical, ComponentLink2URL=https://datasheet.ciiva.com/26877/getdatasheetpartid-355289-26877841.pdf?src-supplier=Verical, Construction=Flat, Depth=0.5mm, Height=0.5mm, Length=1mm, Mount="Surface Mount", Packaging="Tape and Reel", Pricing 1="1=0.27000, 10=0.18400, 50=0.11020, 100=0.09300, 500=0.06362, 1000=0.05629, 2500=0.05384, 5000=0.04894 (USD)", Radiation Hardening=No, RoHS=Yes, Series=CL, Stock 1=3345553, Supplier 1=Digi-Key, Thickness=0.028inch, Width=0.02inch
C14 C30: library part CAP_CGA2B2NP01H100D050BA, "Cap Ceramic 10pF 50V C0G 0.5pF Pad SMD 0402 150C Automotive T/R", Case Code (Imperial)=0402, Case Code (Metric)=1005, Dielectric=C0G, Manufacturer=TDK, Manufacturer Part Number=CGA2B2NP01H100D050BA, Max Operating Temperature=150°C, Min Operating Temperature=-55°C, Package Quantity=1, Ratings=AEC-Q200, Supplier Part Number 1=445-12120-1-ND, Voltage Rating=50V, Case/Package=0402, Category="Ceramic Capacitors", ComponentLink1Description=http://www.farnell.com/datasheets/2628288.pdf?src-supplier=Farnell, ComponentLink1URL=http://www.farnell.com/datasheets/2628288.pdf?src-supplier=Farnell, ComponentLink2Description=http://www.mouser.com/ds/2/400/mlcc_automotive_hightemp_en-520039.pdf?src-supplier=Mouser, ComponentLink2URL=http://www.mouser.com/ds/2/400/mlcc_automotive_hightemp_en-520039.pdf?src-supplier=Mouser, ComponentLink3Description=http://product.tdk.com/en/catalog/datasheets/mlcc_automotive_hightemp_en.pdf?src-supplier=Avnet, ComponentLink3URL=http://product.tdk.com/en/catalog/datasheets/mlcc_automotive_hightemp_en.pdf?src-supplier=Avnet, ComponentLink4Description=https://product.tdk.com/info/en/documents/chara_sheet/CGA2B2NP01H100D050BA.pdf?src-supplier=Digi-Key, ComponentLink4URL=https://product.tdk.com/info/en/documents/chara_sheet/CGA2B2NP01H100D050BA.pdf?src-supplier=Digi-Key, ComponentLink5Description=http://www.farnell.com/datasheets/2628288.pdf?src-supplier=Element14, ComponentLink5URL=http://www.farnell.com/datasheets/2628288.pdf?src-supplier=Element14, ComponentLink6Description=http://www.farnell.com/datasheets/2628288.pdf?src-supplier=Newark, ComponentLink6URL=http://www.farnell.com/datasheets/2628288.pdf?src-supplier=Newark, Features="High Temperature", Height=0.5mm, Lead Free="Lead Free", Length=0.039inch, Mounting Technology="Surface Mount", Packaging="Tape and Reel", Pricing 1="1=0.1, 10=0.072, 50=0.0408, 100=0.0338, 500=0.02372, 1000=0.01964, 2500=0.01828, 5000=0.01672 (USD)", RoHS=Yes, RoHS Compliant=Yes, Series=CGA, Stock 1=696060, Supplier 1=Digi-Key, Termination=SMD/SMT, Thickness=0.022inch, Voltage Rating (DC)=50V, Weight=2.3E-05oz, Width=0.02inch